# Altium PCB PCB1.PcbDoc (part 2 of 3)
Units mm, origin at the board's own origin, x right, y up, seen from the top; angles counter-clockwise.
Board outline 185.67 x 127.25 mm, 2 copper layers (Top Layer, Bottom Layer); 163 components, 132 nets, 740 pads, 201 vias.
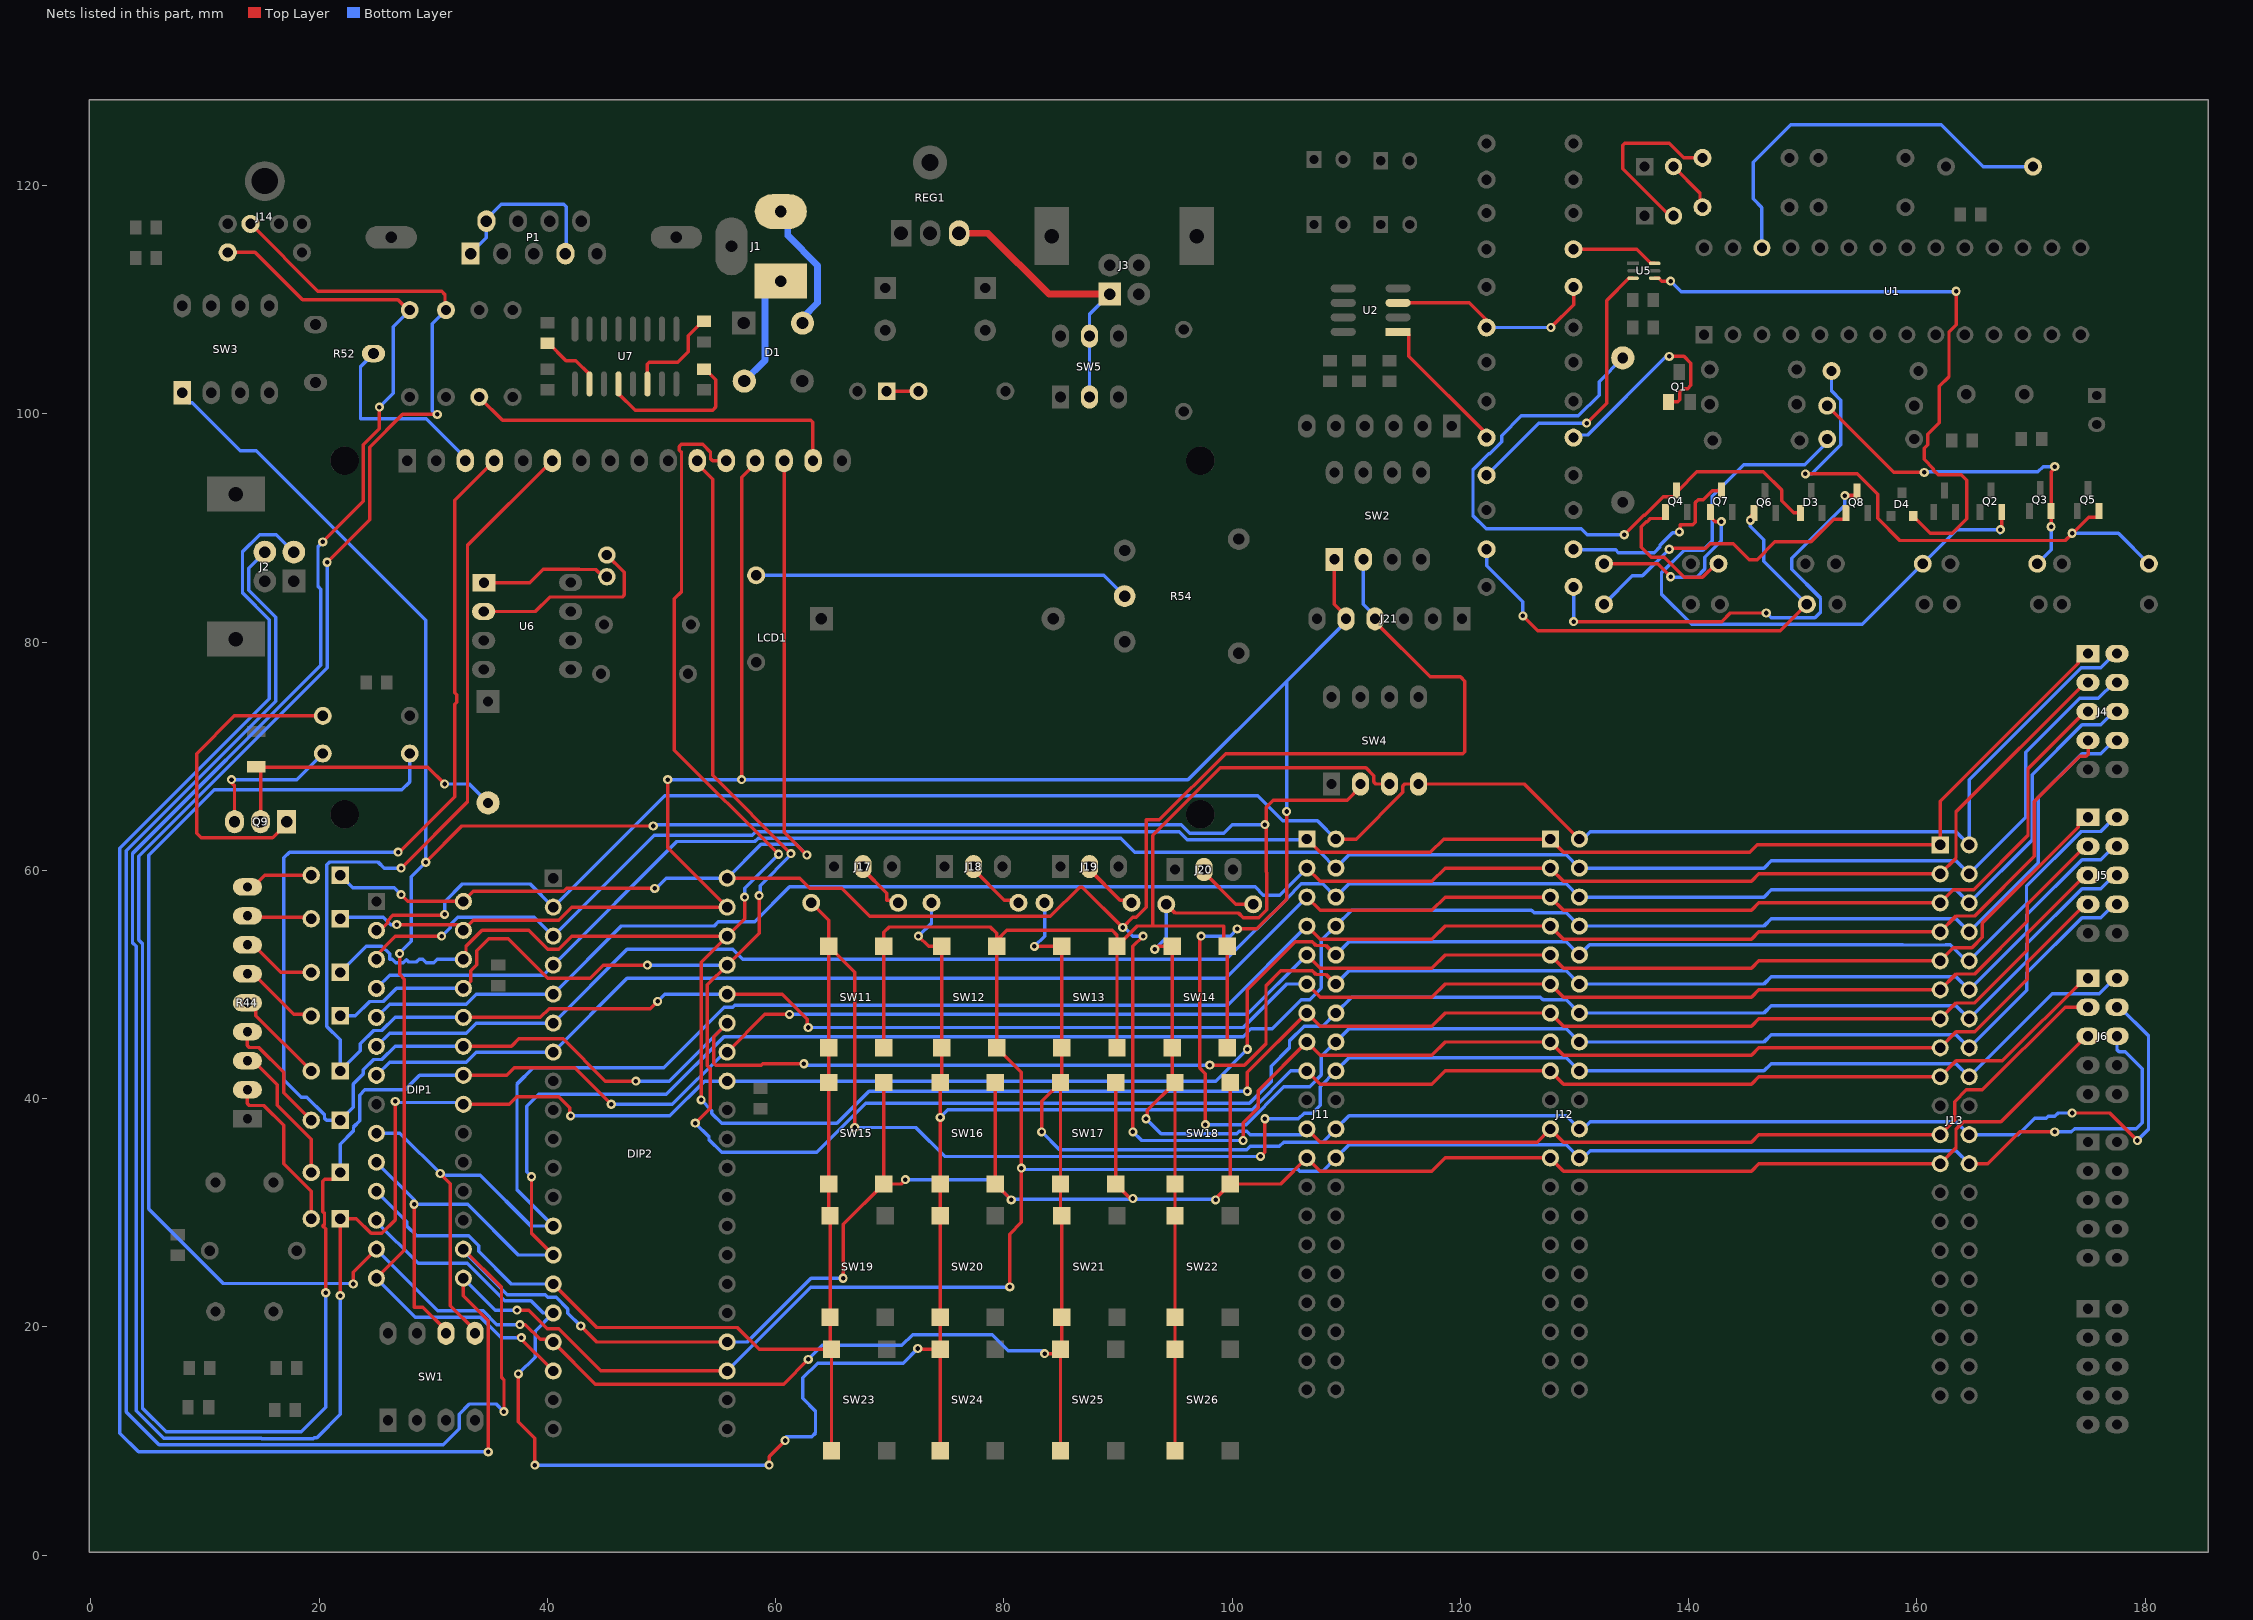
[diagram p2: the nets of this part, all layers, seen from the top]

## Via types
v1: diameter 0.8, hole 0.4, Top Layer to Bottom Layer, 201 vias

## Nets (pads, with @x,y where several pads share a name; then routed paths per layer and width w, separated by ;. In a path a pad name is that pad's centre, name@x,y a point inside that pad or via, vN(x,y) a via of type N, cw(c..) or ccw(c..) an arc to the next point about the centre after c; other vN are vias at no path point) (continued)
NetC30_2: C30.2 U7.4 | length 13.9
  Top Layer w0.3: U7.4@46.228,102.629 46.228,101.784 47.682,100.33 54.483,100.33 54.75,100.597 54.75,102.993 53.846,103.897 C30.2@53.721,103.897
NetC31_1: C31.1 U7.2 | length 5.6
  Top Layer w0.3: C31.1@40.005,106.172 40.13,106.172 41.634,104.668 42.494,104.668 43.688,103.474 U7.2@43.688,102.629
NetC32_2: C32.2 U7.6 | length 9.1
  Top Layer w0.3: U7.6@48.768,102.629 48.768,104.345 48.944,104.521 51.435,104.521 52.34,105.426 52.34,106.843 53.596,108.099 C32.2@53.721,108.099
NetD1_2: D1.2 J1.2 | length 11.7
  Bottom Layer w0.6: J1.2@60.452,117.729 61.064,117.117 61.064,115.614 63.673,113.005 63.673,109.735 62.357,108.419 D1.2@62.357,107.95
NetD1_3: D1.3 J1.1 | length 10.4
  Bottom Layer w0.6: D1.3@57.252,102.87 59.055,104.673 59.055,110.693 59.995,111.633 J1.1@60.452,111.633
NetD3_1: D3.1 L1.2 Q4.3 | length 56.2
  Top Layer w0.3: v1(134.366,89.408) 136.072,91.114 136.152,91.114 137.767,92.729 138.788,92.729 138.938,92.879 Q4.3@138.938,93.279 139.085,93.279 140.714,94.908 142.149,94.908 142.178,94.937 146.537,94.937 148.149,93.326 148.149,92.375 149.206,91.318 D3.1@149.799,91.318
  Bottom Layer w0.3: L1.2@134.239,104.902 132.161,102.824 132.161,101.647 130.336,99.822 125.349,99.822 123.612,98.085 123.612,97.543 122.569,96.5 122.501,96.5 121.11,95.108 121.11,91.074 122.267,89.916 130.611,89.916 131.119,89.408 v1(134.366,89.408)
NetD4_3: D4.2 U5.4 | length 56.6
  Top Layer w0.3: U5.4@137.033,111.887 137.391,111.887 137.645,111.633 v1(138.43,111.633) ; D4.2@159.69,91.059 159.69,91.008 161.163,89.535 163.11,89.535 164.38,90.805 164.38,94.186 163.909,94.657 161.883,94.657 161.459,95.081 161.459,95.202 160.655,96.006 160.655,96.994 160.957,97.297 160.957,98.198 161.971,99.212 161.971,102.42 162.825,103.274 162.825,107.18 163.449,107.804 v1(163.449,110.744)
  Bottom Layer w0.3: v1(138.43,111.633) 139.361,110.702 163.407,110.702 v1(163.449,110.744)
NetD6_2: D6.2 R44.2 | length 14.4
  Top Layer w0.3: R44.2@13.716,40.767 13.716,39.569 13.892,39.393 15.153,39.393 16.891,37.655 16.891,34.292 19.304,31.879 D6.2@19.304,29.464
NetD7_2: D7.2 R44.3 | length 12.4
  Top Layer w0.3: R44.3@13.716,43.307 14.224,43.307 16.334,41.197 16.334,39.421 19.304,36.451 D7.2@19.304,33.528
NetD8_2: D8.2 R44.4 | length 10.5
  Top Layer w0.3: R44.4@13.716,45.847 13.716,44.649 13.892,44.473 14.707,44.473 16.888,42.292 16.888,40.516 D8.2@19.304,38.1
NetD9_2: D9.2 R44.5 | length 8.4
  Top Layer w0.3: R44.5@13.716,48.387 13.893,48.387 14.458,47.822 14.458,47.264 D9.2@19.304,42.418
NetD10_2: D10.2 R44.6 | length 7.1
  Top Layer w0.3: R44.6@13.716,50.927 14.224,50.927 17.761,47.39 19.158,47.39 D10.2@19.304,47.244
NetD11_2: D11.2 R44.7 | length 6.6
  Top Layer w0.3: R44.7@13.716,53.467 14.224,53.467 16.637,51.054 D11.2@19.304,51.054
NetD12_2: D12.2 R44.8 | length 5.7
  Top Layer w0.3: R44.8@13.716,56.007 13.843,55.88 19.177,55.88 D12.2@19.304,55.753
NetD13_2: D13.2 R44.9 | length 6
  Top Layer w0.3: R44.9@13.716,58.547 14.224,58.547 15.24,59.563 D13.2@19.304,59.563
NetD14_1: D14.1 MG1.2 Q9.2 | length 26.5
  Top Layer w0.3: MG1.2@14.478,69.062 14.5,69.04 MG1.2@14.537,69.04 ; Q9.2@14.865,64.262 14.865,68.712 MG1.2@14.537,69.04 ; v1(30.988,67.564) 29.512,69.04 MG1.2@14.537,69.04
  Bottom Layer w0.3: v1(30.988,67.564) 33.147,67.564 D14.1@34.798,65.913
NetD15_1: D15.1 R1.1 | length 2.8
  Top Layer w0.3: D15.1@69.723,101.981 R1.1@72.517,101.981
NetD16_2: D16.2 R3.2 | length 15.8
  Top Layer w0.3: D16.2@138.684,117.348 138.367,117.348 134.239,121.476 134.239,123.522 134.415,123.698 138.301,123.698 139.571,122.428 R3.2@141.224,122.428
NetD17_2: D17.2 R2.2 | length 4.6
  Top Layer w0.3: D17.2@138.684,121.666 141.003,119.347 141.003,118.331 R2.2@141.224,118.11
NetJ3_1: J3.1 REG1.3 SW5.2 SW5.5 | length 25.2
  Top Layer w0.6: REG1.3@76.073,115.824 78.613,115.824 83.947,110.49 J3.1@89.281,110.49
  Bottom Layer w0.3: SW5.2@87.503,101.473 SW5.5@87.503,106.807 87.503,108.712 J3.1@89.281,110.49
NetJ17_2: J17.2 R55.1 | length 5.2
  Top Layer w0.3: J17.2@67.056,60.071 J17.2@67.056,60.325 ; J17.2@67.655,60.325 67.655,60.071 69.733,57.993 69.733,57.394 70.495,57.394 R55.1@70.739,57.15
NetJ18_2: J18.2 R56.1 | length 5.4
  Top Layer w0.3: J18.2@77.343,60.325 77.343,60.071 80.043,57.371 81.059,57.371 R56.1@81.28,57.15
NetJ19_2: J19.2 R57.1 | length 5.1
  Top Layer w0.3: J19.2@87.503,60.325 87.503,60.071 90.18,57.394 90.942,57.394 R57.1@91.186,57.15
NetJ20_2: J20.2 R58.1 | length 5.7
  Top Layer w0.3: J20.2@97.536,60.071 97.536,59.817 100.33,57.023 R58.1@101.854,57.023
NetLCD1_3: LCD1.3 R52.2 | length 17
  Bottom Layer w0.3: R52.2@24.765,105.283 23.622,104.14 23.622,99.568 29.388,99.568 32.805,96.151 LCD1.3@32.805,95.897
NetLCD1_15: LCD1.15 R18.2 | length 33.5
  Top Layer w0.3: R18.2@34.036,101.473 36.068,99.441 63.07,99.441 63.246,99.265 63.246,95.936 LCD1.15@63.285,95.897
NetP1_1: P1.1 P1.4 P1.6 | length 15.4
  Bottom Layer w0.3: P1.1@33.274,114.046 33.274,114.211 33.871,114.808 34.036,114.808 34.658,115.43 P1.6@34.658,116.891 34.658,117.056 35.966,118.364 41.433,118.364 41.656,118.141 41.656,114.122 P1.4@41.58,114.046
NetQ1_1: Q1.1 R31.2 | length 18.4
  Top Layer w0.3: Q1.1@138.242,101.056 139.062,101.056 139.238,101.232 139.238,101.923 139.521,102.206 139.925,102.206 140.208,102.489 140.208,104.423 139.602,105.029 v1(138.303,105.029)
  Bottom Layer w0.3: R31.2@129.921,97.917 130.148,98.144 131.158,98.144 138.043,105.029 v1(138.303,105.029)
NetQ2_2: Q2.2 R10.2 R11.1 | length 59.8
  Top Layer w0.3: v1(167.322,89.852) 167.447,89.977 Q2.2@167.447,91.379
  Bottom Layer w0.3: R10.2@152.146,97.79 152.146,97.515 150.177,95.546 144.822,95.546 142.067,92.791 142.067,88.86 141.266,88.059 139.627,88.059 137.626,86.058 137.626,84.209 140.268,81.567 155.227,81.567 R11.1@160.528,86.868 163.512,89.852 v1(167.322,89.852) 167.29,89.82 v1@167.29,89.532
NetQ3_2: Q3.2 R14.2 R15.1 | length 31.8
  Top Layer w0.3: R14.2@152.146,100.711 157.988,94.869 v1(160.655,94.869) ; v1@171.704,90.043 v1(171.765,90.104) Q3.2@171.765,91.506 171.765,94.922 172.085,95.242 v1(172.085,95.377)
  Bottom Layer w0.3: v1(160.655,94.869) 160.697,94.911 170.603,94.911 171.069,95.377 v1(172.085,95.377) ; R15.1@170.561,86.868 171.765,88.072 v1(171.765,90.104)
NetQ4_1: Q4.1 R21.2 | length 13.1
  Top Layer w0.3: Q4.1@137.988,91.379 137.988,90.979 137.838,90.829 136.65,90.829 136.381,90.56 136.302,90.56 135.848,90.107 135.848,88.313 136.739,87.422 137.87,87.422 139.616,85.676 141.224,85.676 142.416,86.868 R21.2@142.621,86.868
NetQ5_2: Q5.2 R19.2 R20.1 | length 49.5
  Top Layer w0.3: v1(150.241,94.742) 154.789,94.742 156.564,92.968 156.564,90.832 158.496,88.9 173.021,88.9 173.633,89.511 175.077,90.956 175.806,90.956 175.956,91.106 Q5.2@175.956,91.506
  Bottom Layer w0.3: v1(150.241,94.742) 150.783,94.742 153.337,97.297 153.337,101.204 152.527,102.015 R19.2@152.527,103.759 ; v1(173.609,89.535) 177.673,89.535 R20.1@180.34,86.868
NetQ6_1: Q6.1 R23.1 R25.2 | length 43.7
  Top Layer w0.3: v1(125.476,82.296) 126.788,80.984 148.04,80.984 R23.1@150.368,83.312 ; v1(145.415,90.678) 145.415,90.998 Q6.1@145.735,91.318
  Bottom Layer w0.3: R25.2@122.301,88.138 122.301,86.7 125.476,83.525 v1(125.476,82.296) ; v1(145.415,90.678) 145.415,90.164 146.6,88.979 146.6,87.08 R23.1@150.368,83.312
NetQ7_1: Q7.1 R27.1 | length 15.9
  Top Layer w0.3: R27.1@132.588,86.868 137.287,86.868 v1(138.43,85.725) ; Q7.1@141.925,91.379 141.925,90.979 142.353,90.551 v1(142.871,90.551)
  Bottom Layer w0.3: v1(138.43,85.725) 138.479,85.676 140.701,85.676 141.43,86.405 141.43,87.439 142.871,88.881 v1(142.871,90.551)
NetQ7_3: Q7.3 R25.1 | length 16.7
  Top Layer w0.3: v1(139.192,89.662) 139.288,89.758 139.288,90.266 139.297,90.275 140.355,90.275 140.592,90.512 140.592,92.233 140.842,92.483 141.291,92.483 142.087,93.279 Q7.3@142.875,93.279
  Bottom Layer w0.3: R25.1@129.921,88.138 129.967,88.092 133.606,88.092 133.856,87.842 136.985,87.842 137.499,88.356 137.499,88.471 138.594,89.566 139.096,89.566 v1(139.192,89.662)
NetQ8_1: Q8.1 R29.1 | length 25.9
  Top Layer w0.3: v1(138.303,88.138) 138.388,88.223 141.508,88.223 141.898,88.613 143.93,88.613 145.336,87.207 146.002,87.207 147.57,88.775 150.727,88.775 152.715,90.763 153.647,90.763 153.797,90.913 Q8.1@153.797,91.313
  Bottom Layer w0.3: R29.1@132.588,83.312 135.075,85.799 135.964,85.799 v1(138.303,88.138)
NetQ8_3: Q8.3 R28.1 | length 40
  Top Layer w0.3: v1(129.921,81.788) 142.909,81.788 143.671,82.55 v1(146.812,82.55)
  Top Layer w0.381: v1(153.695,92.837) 154.747,92.837 Q8.3@154.747,93.213
  Bottom Layer w0.3: v1(129.921,81.788) R28.1@129.921,84.836 ; v1(146.812,82.55) 147.241,82.121 151.082,82.121 151.559,82.598 151.559,83.865 149.05,86.375 149.05,87.361 153.675,91.987 153.675,92.817 v1(153.695,92.837)
NetQ9_1: Q9.1 R43.2 | length 28.1
  Top Layer w0.3: Q9.1@17.145,64.262 17.145,64.072 15.916,62.842 9.675,62.842 9.271,63.246 9.271,70.231 12.573,73.533 R43.2@20.32,73.533
NetQ9_3: Q9.3 R47.2 | length 12.7
  Top Layer w0.3: v1(12.319,67.945) 12.319,67.691 12.585,67.425 Q9.3@12.585,64.262
  Bottom Layer w0.3: v1(12.319,67.945) 18.034,67.945 R47.2@20.32,70.231
NetR5_1: R5.1 R6.2 U2.3 | length 18.7
  Top Layer w0.3: U2.3@114.541,109.728 120.777,109.728 122.301,108.204 R6.2@122.301,107.95 ; v1(127.939,107.569) 129.921,109.551 R5.1@129.921,111.125
  Bottom Layer w0.3: R6.2@122.301,107.569 v1(127.939,107.569)
NetR13_1: R13.1 U5.6 | length 7.6
  Top Layer w0.3: R13.1@129.921,114.427 135.445,114.427 136.685,113.187 U5.6@137.033,113.187
NetR30_2: R30.2 U5.3 | length 25.3
  Top Layer w0.3: v1(131.064,99.187) 132.819,100.942 132.819,109.931 134.775,111.887 U5.3@135.133,111.887
  Bottom Layer w0.3: R30.2@122.301,94.615 126.873,99.187 v1(131.064,99.187)
NetR31_1: R31.1 U2.1 | length 12.9
  Top Layer w0.3: U2.1@114.541,107.188 115.291,107.188 115.491,106.988 115.491,105.044 122.301,98.234 R31.1@122.301,97.917
NetR53_2: R53.2 R54.2 | length 33
  Bottom Layer w0.3: R53.2@58.293,85.852 88.76,85.852 R54.2@90.585,84.027
NetU6_1: U6.1 Y3.2 | length 11.5
  Top Layer w0.3: U6.1@34.442,85.192 38.445,85.192 39.637,86.383 42.774,86.383 42.797,86.36 44.246,86.36 44.881,85.725 Y3.2@45.212,85.725
NetU6_2: U6.2 Y3.1 | length 17.1
  Top Layer w0.3: U6.2@34.417,82.677 38.954,82.677 40.224,83.947 46.56,83.947 46.736,84.123 46.736,86.106 Y3.1@45.212,87.63
PS2_CLK: D6.1 DIP1.21 DIP2.33 J5.2 J11.10 J12.10 J13.10 J14.5 R40.1 | length 348.2
  Top Layer w0.3: J14.5@11.99,114.146 14.378,114.146 18.542,109.982 26.907,109.982 27.796,109.093 R40.1@27.94,109.093 ; v1(20.32,88.773) 23.879,92.332 23.879,97.306 25.273,98.7 v1(25.273,100.584) ; v1(21.844,22.733) D6.1@21.844,29.464 23.26,29.464 24.541,28.183 25.497,28.183 26.67,29.356 v1(26.67,39.751) ; DIP1.21@32.639,39.497 36.654,39.497 37.3,40.143 40.991,40.143 41.941,39.193 41.941,38.577 v1(42.037,38.481) ; v1(101.346,44.323) 101.346,49.53 105.548,53.732 107.031,53.732 107.353,53.41 108.228,53.41 109.06,52.578 J11.10@109.093,52.578
  Bottom Layer w0.3: v1(20.32,88.773) 19.897,88.35 19.897,84.874 20.147,84.624 20.147,77.975 3.645,61.473 3.645,53.665 3.969,53.34 3.969,12.646 6.375,10.241 14.951,10.241 14.986,10.206 19.477,10.206 19.558,10.287 19.812,10.287 21.844,12.319 v1(21.844,22.733) ; v1(25.273,100.584) 26.485,101.796 26.485,107.638 R40.1@27.94,109.093 ; v1(26.67,39.751) 26.766,39.655 32.481,39.655 DIP1.21@32.639,39.497 ; v1(42.037,38.481) 50.722,38.481 53.77,41.529 DIP2.33@55.753,41.529 98.552,41.529 v1(101.346,44.323) ; J11.10@109.093,52.578 110.247,53.732 129.275,53.732 J12.10@130.429,52.578 131.318,53.467 158.791,53.467 158.802,53.456 162.53,53.456 162.541,53.467 162.941,53.467 164.338,52.07 J13.10@164.592,52.07 169.61,57.088 169.61,58.61 174.399,63.399 176.111,63.399 177.355,64.643 J5.2@177.546,64.643
PS2_DATA: D7.1 DIP1.22 DIP2.34 J5.1 J11.9 J12.9 J13.9 J14.1 R41.1 | length 345.1
  Top Layer w0.3: J14.1@13.99,116.646 19.892,110.744 30.734,110.744 31.026,110.452 31.026,109.182 R41.1@31.115,109.093 ; v1@20.331,23.125 20.468,22.987 v1(20.574,22.987) 20.574,28.577 20.32,28.831 20.47,28.981 20.47,29.947 20.32,30.097 20.32,32.74 20.496,32.916 21.232,32.916 D7.1@21.844,33.528 ; v1(20.701,86.995) 24.433,90.727 24.433,97.077 27.305,99.949 v1(30.353,99.949) ; DIP1.22@32.639,42.037 36.449,42.037 37.095,42.683 42.407,42.683 v1(45.593,39.497) ; DIP2.34@55.753,44.069 59.055,47.371 v1(61.214,47.371) ; J11.9@106.553,52.578 107.707,51.424 117.513,51.424 118.667,52.578 J12.9@127.889,52.578 129.043,51.424 145.516,51.424 146.162,52.07 J13.9@162.052,52.07 163.206,53.224 164.838,53.224 165.746,54.132 165.746,55.383 174.14,63.777 174.14,64.031 174.752,64.643 J5.1@175.006,64.643
  Bottom Layer w0.3: v1(20.574,22.987) 20.574,12.954 18.415,10.795 6.604,10.795 4.523,12.876 4.523,53.569 4.199,53.894 4.199,61.243 20.701,77.745 v1(20.701,86.995) ; D7.1@21.844,33.528 21.844,36.005 23.01,37.171 23.01,37.509 23.541,38.04 23.541,40.305 24.003,40.767 27.524,40.767 28.794,42.037 DIP1.22@32.639,42.037 ; v1(30.353,99.949) 30.226,99.949 29.924,100.251 29.924,107.902 R41.1@31.115,109.093 ; v1(45.593,39.497) 50.955,39.497 55.527,44.069 DIP2.34@55.753,44.069 ; v1(61.214,47.371) 101.346,47.371 J11.9@106.553,52.578
PUSH_BUTTON: R32.1 U1.26 | length 35.2
  Bottom Layer w0.3: U1.26@146.431,114.554 146.431,118.079 145.666,118.844 145.666,122.044 148.971,125.349 162.134,125.349 165.817,121.666 R32.1@170.18,121.666
RA0: DIP1.2 DIP2.2 J4.2 J11.2 J12.2 J13.2 SW4.4 | length 176.8
  Top Layer w0.3: DIP1.2@25.019,54.737 25.334,54.737 25.993,55.396 25.993,55.578 26.464,56.049 v1@30.988,56.049 ; J11.2@109.093,62.738 110.869,62.738 114.958,66.827 114.958,67.388 115.134,67.564 SW4.4@116.332,67.564 125.603,67.564 J12.2@130.429,62.738
  Bottom Layer w0.3: v1(30.988,56.134) 30.988,57.258 32.531,58.801 38.481,58.801 DIP2.2@40.513,56.769 50.295,66.551 102.238,66.551 104.442,64.347 107.484,64.347 J11.2@109.093,62.738 ; J12.2@130.429,62.738 130.754,62.738 131.4,63.384 163.438,63.384 J13.2@164.592,62.23 164.592,67.943 174.399,77.75 176.111,77.75 177.355,78.994 J4.2@177.546,78.994
RA1: DIP1.3 DIP2.3 J4.1 J11.1 J12.1 J13.1 | length 167.7
  Top Layer w0.3: DIP1.3@25.019,52.197 25.019,52.522 25.693,53.196 25.693,53.268 26.654,54.229 v1(30.734,54.229) ; J11.1@106.553,62.738 107.707,61.584 117.375,61.584 118.529,62.738 J12.1@127.889,62.738 129.043,61.584 145.378,61.584 146.024,62.23 J13.1@162.052,62.23 162.052,66.04 174.14,78.128 174.14,78.382 174.752,78.994 J4.1@175.006,78.994
  Bottom Layer w0.3: v1(30.734,54.229) 31.485,54.98 31.485,55.215 32.161,55.891 38.851,55.891 DIP2.3@40.513,54.229 49.361,63.077 57.954,63.077 58.257,63.38 95.38,63.38 96.071,62.689 101.009,62.689 101.016,62.696 106.511,62.696 J11.1@106.553,62.738
RA2: DIP1.4 DIP2.4 J4.4 J11.4 J12.4 J13.4 | length 171.1
  Bottom Layer w0.3: DIP1.4@25.019,49.657 26.173,50.811 39.635,50.811 DIP2.4@40.513,51.689 51.347,62.523 58.184,62.523 58.487,62.826 90.228,62.826 91.47,61.584 107.707,61.584 J11.4@109.093,60.198 110.247,61.352 129.275,61.352 J12.4@130.429,60.198 146.61,60.198 147.256,60.844 163.438,60.844 J13.4@164.592,59.69 169.545,64.643 169.545,70.356 174.269,75.08 175.918,75.08 177.292,76.454 J4.4@177.546,76.454
RA3: DIP1.5 DIP2.5 J4.3 J11.3 J12.3 J13.3 | length 167
  Top Layer w0.3: J11.3@106.553,60.198 107.707,59.044 117.513,59.044 118.667,60.198 J12.3@127.889,60.198 129.043,59.044 145.516,59.044 146.162,59.69 J13.3@162.052,59.69 163.438,61.076 163.438,65.14 174.752,76.454 J4.3@175.006,76.454
  Bottom Layer w0.3: DIP1.5@25.019,47.117 26.173,48.271 32.885,48.271 33.763,49.149 DIP2.5@40.513,49.149 46.482,55.118 54.61,55.118 54.991,55.499 58.166,55.499 61.214,58.547 102.015,58.547 102.74,57.822 104.177,57.822 J11.3@106.553,60.198
RA4: DIP1.6 DIP2.6 J4.6 J11.6 J12.6 J13.6 | length 171.6
  Bottom Layer w0.3: DIP1.6@25.019,44.577 26.173,45.731 32.885,45.731 33.763,46.609 DIP2.6@40.513,46.609 46.979,53.075 56.231,53.075 57.109,52.197 99.496,52.197 104.731,57.432 104.731,57.468 106.075,58.812 107.939,58.812 J11.6@109.093,57.658 110.247,58.812 129.275,58.812 J12.6@130.429,57.658 146.61,57.658 147.256,58.304 163.438,58.304 J13.6@164.592,57.15 170.099,62.657 170.099,68.37 174.477,72.748 176.126,72.748 177.292,73.914 J4.6@177.546,73.914
RA5: DIP1.7 DIP2.7 J4.5 J11.5 J12.5 J13.5 | length 168.5
  Top Layer w0.3: J11.5@106.553,57.658 107.707,56.504 117.513,56.504 118.667,57.658 J12.5@127.889,57.658 129.043,56.504 145.516,56.504 146.162,57.15 J13.5@162.052,57.15 163.206,58.304 164.973,58.304 169.745,63.076 169.745,68.907 174.752,73.914 J4.5@175.006,73.914
  Bottom Layer w0.3: DIP1.7@25.019,42.037 26.173,43.191 32.885,43.191 33.763,44.069 DIP2.7@40.513,44.069 46.979,50.535 56.334,50.535 56.345,50.546 99.441,50.546 J11.5@106.553,57.658
RA6: DIP1.10 DIP2.14 J4.8 J11.8 J12.8 J13.8 SW1.6 | length 207
  Top Layer w0.3: v1(28.321,30.734) 28.321,21.717 29.083,21.717 31.115,19.685 SW1.6@31.115,19.431 SW1.6@30.607,19.431 ; v1(38.608,33.147) 38.608,28.194 DIP2.14@40.513,26.289
  Bottom Layer w0.3: DIP1.10@25.019,34.417 28.321,31.115 v1(28.321,30.734) 28.332,30.723 33.01,30.723 37.444,26.289 DIP2.14@40.513,26.289 ; v1(38.608,33.147) 38.185,33.57 38.185,39.322 39.238,40.375 50.427,40.375 55.476,45.424 100.966,45.424 101.654,46.112 103.535,46.112 106.075,48.652 106.799,48.652 107.831,49.684 107.831,53.856 J11.8@109.093,55.118 110.49,56.515 126.238,56.515 126.481,56.272 129.275,56.272 J12.8@130.429,55.118 146.61,55.118 147.256,55.764 163.438,55.764 J13.8@164.592,54.61 170.653,60.671 170.653,66.384 174.477,70.208 176.126,70.208 177.292,71.374 J4.8@177.546,71.374
RA7: DIP1.9 DIP2.13 J4.7 J11.7 J12.7 J13.7 SW1.5 | length 203.4
  Top Layer w0.3: v1(30.607,33.431) 30.607,33.401 31.485,32.523 31.485,21.855 33.655,19.685 SW1.5@33.655,19.431 ; J11.7@106.553,55.118 107.707,53.964 117.513,53.964 118.667,55.118 J12.7@127.889,55.118 129.043,53.964 145.516,53.964 146.162,54.61 J13.7@162.052,54.61 163.438,55.996 165.07,55.996 170.299,61.225 170.299,66.03 174.269,70 174.83,70 175.006,70.176 J4.7@175.006,71.374
  Bottom Layer w0.3: DIP1.9@25.019,36.957 27.081,36.957 30.775,33.263 34.133,33.263 38.567,28.829 DIP2.13@40.513,28.829 37.338,32.004 37.338,41.275 38.746,42.683 50.195,42.683 55.507,47.995 56.231,47.995 56.411,48.175 99.61,48.175 J11.7@106.553,55.118
RB2: D8.1 DIP1.23 DIP2.35 J5.4 J11.12 J12.12 J13.12 LCD1.4 | length 258.4
  Top Layer w0.3: v1(26.924,61.595) 27.027,61.595 31.877,66.445 31.877,74.555 32.046,74.724 32.046,75.39 31.877,75.559 31.877,92.429 LCD1.4@35.345,95.897 ; DIP1.23@32.639,44.577 36.854,44.577 37.5,45.223 41.391,45.223 45.085,41.529 v1(47.752,41.529) ; DIP2.35@55.753,46.609 54.575,45.431 54.575,43.091 54.751,42.915 58.743,42.915 58.881,43.053 v1(62.484,43.053) ; v1(98.044,42.926) 101.086,42.926 102.973,44.813 102.973,49.887 104.278,51.192 107.031,51.192 107.353,50.87 108.228,50.87 109.06,50.038 J11.12@109.093,50.038
  Bottom Layer w0.3: v1(26.924,61.595) 17.399,61.595 16.888,61.084 16.888,41.659 18.415,40.132 18.921,40.132 20.47,38.583 20.47,38.276 20.646,38.1 D8.1@21.844,38.1 22.987,39.243 22.987,41.275 23.865,42.153 23.865,42.515 24.773,43.423 25.497,43.423 26.651,44.577 DIP1.23@32.639,44.577 ; v1@47.498,41.529 v1(47.752,41.529) 50.673,41.529 DIP2.35@55.753,46.609 ; v1@62.357,43.18 v1(62.484,43.053) 62.611,42.926 v1(98.044,42.926) ; J11.12@109.093,50.038 110.247,51.192 129.275,51.192 J12.12@130.429,50.038 146.61,50.038 147.256,50.684 163.438,50.684 J13.12@164.592,49.53 169.649,54.587 169.649,56.109 174.477,60.937 176.126,60.937 177.292,62.103 J5.4@177.546,62.103
RB3: D9.1 DIP1.24 DIP2.36 J5.3 J11.11 J12.11 J13.11 LCD1.6 | length 233.8
  Top Layer w0.3: v1(27.178,60.198) 32.997,66.017 32.997,88.469 LCD1.6@40.425,95.897 ; DIP1.24@32.639,47.117 39.389,47.117 40.154,47.882 49.025,47.882 v1(49.657,48.514) ; DIP2.36@55.753,49.149 60.573,49.149 62.769,46.953 62.769,46.324 v1(62.865,46.228) ; J11.11@106.553,50.038 107.707,48.884 117.513,48.884 118.667,50.038 J12.11@127.889,50.038 129.043,48.884 145.516,48.884 146.162,49.53 J13.11@162.052,49.53 163.438,50.916 165.07,50.916 169.678,55.524 169.678,57.029 174.752,62.103 J5.3@175.006,62.103
  Bottom Layer w0.3: v1(27.178,60.198) 25.686,60.198 25.155,60.729 20.915,60.729 20.678,60.492 20.678,46.315 21.844,45.149 D9.1@21.844,42.418 23.614,44.188 23.614,44.805 24.773,45.963 25.497,45.963 26.651,47.117 DIP1.24@32.639,47.117 ; v1(49.657,48.514) 50.292,49.149 DIP2.36@55.753,49.149 ; v1(62.865,46.228) 100.986,46.228 104.796,50.038 J11.11@106.553,50.038
RB4: D10.1 DIP1.25 DIP2.37 J5.6 J11.14 J12.14 J13.14 LCD1.11 | length 245
  Top Layer w0.3: DIP1.25@32.639,49.657 33.274,50.292 33.274,51.2 33.793,51.719 33.793,52.964 34.846,54.017 36.553,54.017 40.035,50.535 43.757,50.535 44.911,51.689 v1(48.768,51.689) ; v1(52.959,37.846) 54.271,39.158 54.271,42.611 54.021,42.861 54.021,49.957 DIP2.37@55.753,51.689 58.547,54.483 v1(58.547,57.785) ; LCD1.11@53.125,95.897 53.125,95.643 54.483,94.285 54.483,68.326 v1(61.341,61.468)
  Bottom Layer w0.3: D10.1@21.844,47.244 23.172,47.244 24.431,48.503 25.622,48.503 26.776,49.657 DIP1.25@32.639,49.657 ; v1(48.768,51.689) DIP2.37@55.753,51.689 ; v1(52.959,37.846) 54.165,36.64 54.165,36.405 55.275,35.295 63.622,35.295 67.912,39.585 101.524,39.585 103.418,41.478 103.418,42.839 105.029,44.45 105.029,45.066 106.307,46.344 107.939,46.344 J11.14@109.093,47.498 110.49,48.895 127,48.895 127.243,48.652 129.275,48.652 J12.14@130.429,47.498 146.61,47.498 147.256,48.144 163.438,48.144 J13.14@164.592,46.99 169.649,52.047 169.649,53.569 174.477,58.397 176.126,58.397 177.292,59.563 J5.6@177.546,59.563 ; v1(58.547,57.785) 58.643,57.881 58.643,58.649 61.341,61.347 v1(61.341,61.468)
RB5: D11.1 DIP1.26 DIP2.38 J5.5 J11.13 J12.13 J13.13 LCD1.12 | length 243.6
  Top Layer w0.3: DIP1.26@32.639,52.197 32.869,52.427 32.869,53.335 34.271,54.737 38.373,54.737 40.035,53.075 40.991,53.075 42.145,54.229 DIP2.38@55.753,54.229 ; v1(53.467,39.878) 53.467,51.943 DIP2.38@55.753,54.229 ; LCD1.12@55.665,95.897 54.467,95.897 54.291,96.073 54.291,96.634 53.608,97.317 51.738,97.317 51.562,97.141 51.562,96.823 51.751,96.634 51.751,84.412 51.133,83.793 51.133,70.533 v1(60.261,61.404) ; v1(57.277,57.658) 57.277,55.753 DIP2.38@55.753,54.229 ; v1(101.346,40.64) 101.346,42.291 J11.13@106.553,47.498 107.707,46.344 117.513,46.344 118.667,47.498 J12.13@127.889,47.498 129.043,46.344 145.516,46.344 146.162,46.99 J13.13@162.052,46.99 163.438,48.376 165.07,48.376 169.678,52.984 169.678,54.489 174.752,59.563 J5.5@175.006,59.563
  Bottom Layer w0.3: D11.1@21.844,51.054 24.141,53.351 25.497,53.351 26.173,52.675 26.173,52.197 26.422,52.197 26.718,51.901 27.384,51.901 27.654,52.171 27.861,51.964 28.527,51.964 28.76,52.197 29.089,52.197 29.385,51.901 30.051,51.901 30.347,52.197 DIP1.26@32.639,52.197 ; v1(53.467,39.878) 54.419,38.926 54.419,38.691 55.275,37.835 65.378,37.835 68.183,40.64 v1(101.346,40.64) ; v1(57.277,57.658) 57.277,58.42 v1(60.261,61.404)
RB6: D12.1 DIP1.27 DIP2.39 J5.8 J11.16 J12.16 J13.16 J21.5 LCD1.13 SW2.1 | length 284.4
  Top Layer w0.3: v1(26.797,55.245) 32.131,55.245 DIP1.27@32.639,54.737 33.517,55.615 40.991,55.615 42.145,56.769 DIP2.39@55.753,56.769 50.546,61.976 v1(50.546,67.945) ; v1(57.023,67.945) 57.023,94.461 58.205,95.643 LCD1.13@58.205,95.897 ; v1@97.155,54.229 97.155,42.678 97.663,42.17 v1(97.663,37.719) ; v1(100.457,54.864) 102.163,54.864 104.775,57.476 v1(104.775,65.151) ; SW2.1@108.966,87.249 108.966,83.312 109.982,82.296 J21.5@109.982,82.042
  Bottom Layer w0.3: D12.1@21.844,55.753 21.982,55.891 25.622,55.891 26.268,55.245 v1(26.797,55.245) ; v1(50.546,67.945) v1(57.023,67.945) 96.139,67.945 104.775,76.581 ; v1(97.282,54.229) 99.822,54.229 v1(100.457,54.864) ; v1(97.663,37.719) 101.225,37.719 104.538,41.032 106.799,41.032 107.831,42.064 107.831,43.696 J11.16@109.093,44.958 110.247,46.112 129.275,46.112 J12.16@130.429,44.958 146.61,44.958 147.256,45.604 163.438,45.604 J13.16@164.592,44.45 169.649,49.507 169.649,51.029 174.477,55.857 176.126,55.857 177.292,57.023 J5.8@177.546,57.023 ; v1(104.775,65.151) 104.775,76.581 ; J21.5@109.982,82.042 109.982,81.788 104.775,76.581
RB7: D13.1 DIP1.28 DIP2.40 J5.7 J11.15 J12.15 J13.15 J21.4 LCD1.14 SW2.2 | length 297.9
  Top Layer w0.3: v1(27.179,57.867) 27.769,57.277 DIP1.28@32.639,57.277 33.517,58.155 41.43,58.155 41.695,58.42 v1(49.403,58.42) ; DIP2.40@55.753,59.309 62.103,59.309 62.992,58.42 65.786,58.42 68.247,55.959 84.059,55.959 86.634,58.533 86.882,58.533 v1(90.424,54.991) 91.305,55.872 91.592,55.872 92.489,56.768 92.489,64.422 93.627,64.422 99.436,70.231 120.22,70.231 120.396,70.407 120.396,76.581 120.015,76.962 117.348,76.962 112.522,81.788 J21.4@112.522,82.042 ; LCD1.14@60.745,95.897 60.745,63.334 v1(62.738,61.341) ; v1(91.313,37.084) 91.313,53.34 v1(92.202,54.229) ; v1(100.965,36.322) 100.965,37.874 102.277,39.186 102.277,40.682 J11.15@106.553,44.958 107.707,43.804 117.513,43.804 118.667,44.958 J12.15@127.889,44.958 129.043,43.804 145.516,43.804 146.162,44.45 J13.15@162.052,44.45 163.438,45.836 165.07,45.836 169.678,50.444 169.678,51.949 174.752,57.023 J5.7@175.006,57.023
  Bottom Layer w0.3: D13.1@21.844,59.563 22.95,58.457 26.567,58.457 27.157,57.867 v1(27.179,57.867) ; v1@49.276,58.166 50.419,59.309 DIP2.40@55.753,59.309 58.716,62.272 61.807,62.272 v1(62.738,61.341) ; v1@90.678,54.864 91.313,54.229 v1(92.202,54.229) ; v1(91.313,37.084) 92.075,36.322 v1(100.965,36.322) ; SW2.2@111.506,87.249 111.506,83.312 112.522,82.296 J21.4@112.522,82.042
RC0: DIP1.11 DIP2.15 J6.2 J11.18 J12.18 J13.18 R55.2 SW11.1 SW11.4 SW15.1 SW15.4 SW19.1 SW19.4 SW23.1 SW23.4 | length 234.4
  Top Layer w0.3: DIP2.15@40.513,23.749 44.323,19.939 56.642,19.939 58.547,18.034 SW23.1@64.897,18.034 ; R55.2@63.119,57.15 64.643,55.626 SW11.1@64.643,53.34 ; SW23.4@64.897,9.144 SW23.1@64.897,18.034 ; v1(66.929,37.465) 66.929,51.054 SW11.1@64.643,53.34 ; v1(102.489,34.925) 102.87,35.306 v1(102.87,38.227) ; SW11.1@64.643,53.34 SW11.4@64.643,44.45 SW15.1@64.643,41.402 SW15.4@64.643,32.512 64.643,29.845 SW19.1@64.77,29.718 SW19.4@64.77,20.828 64.77,18.161 SW23.1@64.897,18.034
  Bottom Layer w0.3: DIP1.11@25.019,31.877 27.686,29.21 27.686,28.829 28.551,27.964 33.104,27.964 33.969,27.1 33.969,26.61 36.83,23.749 DIP2.15@40.513,23.749 ; v1(66.929,37.465) 72.263,37.465 74.803,34.925 v1(102.489,34.925) ; v1(102.87,38.227) 105.81,38.227 106.307,38.724 107.031,38.724 107.707,39.4 107.707,41.032 J11.18@109.093,42.418 110.247,43.572 129.275,43.572 J12.18@130.429,42.418 146.61,42.418 147.256,43.064 163.438,43.064 J13.18@164.592,41.91 171.854,49.172 175.981,49.172 177.355,50.546 J6.2@177.546,50.546
RC1: DIP1.12 DIP2.16 J6.1 J11.17 J12.17 J13.17 R56.2 SW12.1 SW12.4 SW16.1 SW16.4 SW20.1 SW20.4 SW24.1 SW24.4 | length 236.5
  Top Layer w0.3: v1(37.465,15.875) 37.465,11.682 38.911,10.236 v1(38.911,7.874) ; v1(59.436,7.874) 59.436,8.636 v1(60.833,10.033) ; v1@72.39,18.161 v1(72.453,18.098) 72.517,18.034 SW24.1@74.422,18.034 ; v1(72.517,54.229) 73.406,53.34 SW12.1@74.549,53.34 SW12.4@74.549,44.45 74.549,41.529 SW16.1@74.422,41.402 v1(74.422,38.354) SW16.4@74.422,32.512 SW20.1@74.422,29.718 SW20.4@74.422,20.828 SW24.1@74.422,18.034 ; R56.2@73.533,57.023 R56.2@73.66,57.15 ; SW24.4@74.422,9.144 SW24.1@74.422,18.034 ; J11.17@106.553,42.418 107.707,41.264 117.513,41.264 118.667,42.418 J12.17@127.889,42.418 129.043,41.264 145.516,41.264 146.162,41.91 J13.17@162.052,41.91 163.438,43.296 167.502,43.296 174.752,50.546 J6.1@175.006,50.546
  Bottom Layer w0.3: DIP1.12@25.019,29.337 25.019,29.21 28.672,25.557 32.971,25.557 36.261,22.267 38.566,22.267 39.624,21.209 DIP2.16@40.513,21.209 38.922,19.618 38.922,17.332 v1(37.465,15.875) ; v1(38.911,7.874) v1(59.436,7.874) ; v1@60.833,10.287 60.914,10.368 63.173,10.368 63.497,10.693 63.497,12.61 62.383,13.724 62.383,15.526 63.678,16.821 71.177,16.821 v1(72.453,18.098) ; v1(72.517,54.229) 73.66,55.372 R56.2@73.66,57.15 ; v1(74.422,38.354) 75.099,39.031 101.753,39.031 105.14,42.418 J11.17@106.553,42.418
RC2: DIP1.13 DIP2.17 J6.4 J11.22 J12.22 J13.22 R47.1 R57.2 SW13.1 SW13.4 SW17.1 SW17.4 SW21.1 SW21.4 SW25.1 SW25.4 | length 321.5
  Top Layer w0.3: v1(22.987,23.749) 22.987,24.765 DIP1.13@25.019,26.797 ; v1(37.592,20.193) 38.064,20.193 39.359,18.899 40.283,18.899 DIP2.17@40.513,18.669 44.207,14.975 60.695,14.975 v1(62.865,17.145) ; v1(82.677,53.34) SW13.1@85.09,53.34 SW13.4@85.09,44.45 85.09,41.529 SW17.1@84.963,41.402 ; v1(83.312,37.084) 83.312,39.751 SW17.1@84.963,41.402 ; v1(83.566,17.653) 84.582,17.653 SW25.1@84.963,18.034 ; SW25.4@84.963,9.144 SW25.1@84.963,18.034 ; v1(173.609,38.735) 176.911,38.735 v1(179.324,36.322) ; SW25.1@84.963,18.034 85.09,18.161 SW21.4@85.09,20.828 SW21.1@85.09,29.718 84.963,29.845 SW17.4@84.963,32.512 SW17.1@84.963,41.402
  Bottom Layer w0.3: v1(22.987,23.749) 22.945,23.791 11.608,23.791 5.077,30.322 5.077,61.338 10.795,67.056 27.256,67.056 27.94,67.74 R47.1@27.94,70.231 ; DIP1.13@25.019,26.797 30.411,21.405 34.367,21.405 35.579,20.193 v1(37.592,20.193) ; v1(62.865,17.145) 64.089,18.369 71.068,18.369 72.003,19.304 78.994,19.304 80.391,17.907 83.312,17.907 v1(83.566,17.653) ; v1(82.677,53.34) 83.566,54.229 R57.2@83.566,57.15 ; v1(83.312,37.084) 84.878,35.518 101.298,35.518 101.594,35.814 104.14,35.814 104.51,36.184 107.939,36.184 J11.22@109.093,37.338 110.247,38.492 129.275,38.492 J12.22@130.429,37.338 130.754,37.338 131.4,37.984 163.438,37.984 J13.22@164.592,36.83 168.889,36.83 170.321,38.262 171.342,38.262 171.522,38.442 172.089,38.442 172.382,38.735 v1(173.609,38.735) ; J6.4@177.292,48.006 J6.4@177.546,48.006 177.8,48.006 180.305,45.501 180.305,37.303 v1(179.324,36.322)
RC3: DIP1.14 DIP2.18 J6.3 J11.21 J12.21 J13.21 R58.2 SW3.1 SW4.2 SW14.1 SW14.4 SW18.1 SW18.4 SW22.1 SW22.4 SW26.1 SW26.4 | length 357.4
  Top Layer w0.3: DIP1.14@25.019,24.257 27.474,26.712 27.474,50.461 27.051,50.884 v1(27.051,52.705) ; v1(29.337,60.706) 32.512,63.881 v1(49.276,63.881) ; v1@37.465,19.177 DIP2.18@40.513,16.129 ; v1(92.456,38.227) 92.552,38.323 92.552,38.958 SW18.1@94.996,41.402 ; v1(93.218,53.086) 93.472,53.34 SW14.1@94.742,53.34 SW14.4@94.742,44.45 94.742,41.656 SW18.1@94.996,41.402 ; R58.2@94.234,57.023 94.996,56.261 100.559,56.261 100.988,55.832 102.347,55.832 103.045,56.53 103.045,59.802 102.997,59.851 102.997,65.532 103.609,66.144 110.086,66.144 111.252,67.31 SW4.2@111.252,67.564 ; SW26.4@94.996,9.144 SW26.1@94.996,18.034 SW22.4@94.996,20.828 SW22.1@94.996,29.718 SW18.4@94.996,32.512 SW18.1@94.996,41.402 ; J11.21@106.553,37.338 107.707,36.184 126.735,36.184 J12.21@127.889,37.338 129.043,36.184 145.516,36.184 146.162,36.83 J13.21@162.052,36.83 163.314,38.092 163.314,39.724 164.346,40.756 165.745,40.756 172.995,48.006 J6.3@175.006,48.006
  Bottom Layer w0.3: SW3.1@8.001,101.854 8.001,101.6 8.613,100.988 8.867,100.988 13.081,96.774 14.478,96.774 29.337,81.915 v1(29.337,60.706) 28.067,59.436 28.067,53.779 27.051,52.763 v1(27.051,52.705) ; DIP1.14@25.019,24.257 28.425,20.851 34.138,20.851 35.939,19.05 v1(37.719,19.05) ; v1(49.276,63.881) 49.403,64.008 95.535,64.008 96.3,63.243 99.255,63.243 100.02,64.008 v1(102.87,64.008) ; v1(92.456,38.227) 93.768,36.915 100.421,36.915 100.632,37.126 101.298,37.126 101.594,36.83 106.045,36.83 J11.21@106.553,37.338 ; v1(93.218,53.086) 94.234,54.102 R58.2@94.234,57.023
RC4: DIP1.15 DIP2.23 J2.2 J6.6 J11.24 J12.24 J13.24 SW4.3 SW11.2 SW11.3 SW12.2 SW12.3 SW13.2 SW13.3 SW14.2 SW14.3 | length 430.6
  Top Layer w0.3: DIP1.15@32.639,24.257 32.639,22.709 34.821,20.527 v1(34.821,9.04) v1@34.798,9.017 ; v1(37.338,21.463) 38.354,21.463 39.994,19.823 40.991,19.823 44.685,16.129 DIP2.23@55.753,16.129 ; SW11.3@69.469,44.45 SW11.2@69.469,53.34 69.469,54.561 69.941,55.033 78.825,55.033 79.375,54.483 SW12.2@79.375,53.848 ; v1(80.518,23.495) 80.518,28.126 81.534,29.142 v1(81.534,33.909) 81.534,42.291 SW12.3@79.375,44.45 SW12.2@79.375,53.34 SW12.2@79.375,53.848 ; SW13.3@89.916,44.45 SW13.2@89.916,53.34 ; SW14.3@99.568,44.45 SW14.2@99.568,53.34 99.265,53.643 99.265,55.118 93.043,55.118 ; SW4.3@113.792,67.564 112.594,67.564 112.418,67.74 112.418,68.301 111.735,68.984 98.973,68.984 93.043,63.054 93.043,55.118 ; J13.24@164.592,34.29 166.224,34.29 169.018,37.084 v1(172.085,37.084) ; SW12.2@79.375,53.848 80.264,54.737 89.486,54.737 89.916,54.307 SW13.2@89.916,53.34 ; SW13.2@89.916,53.34 91.694,55.118 93.043,55.118
  Bottom Layer w0.3: J2.2@17.78,87.884 16.256,89.408 14.779,89.408 13.282,87.912 13.282,84.317 15.644,81.955 15.644,75.039 2.537,61.932 2.537,10.671 4.168,9.04 v1(34.821,9.04) ; DIP1.15@32.639,24.257 35.433,21.463 v1(37.338,21.463) ; DIP2.23@55.753,16.129 63.077,23.453 80.476,23.453 v1(80.518,23.495) ; v1@81.407,34.036 v1(81.534,33.909) 81.661,33.782 105.791,33.782 105.929,33.644 107.939,33.644 J11.24@109.093,34.798 110.247,35.952 129.275,35.952 J12.24@130.429,34.798 130.754,34.798 131.4,35.444 163.438,35.444 J13.24@164.592,34.29 J13.24@164.592,34.415 ; v1(172.085,37.084) 173.546,37.084 173.823,37.361 179.241,37.361 179.751,37.871 179.751,42.624 178.283,44.092 177.722,44.092 177.546,44.268 J6.6@177.546,45.466
RC5: DIP1.16 DIP2.24 J2.3 J6.5 J11.23 J12.23 J13.23 SW15.2 SW15.3 SW16.2 SW16.3 SW17.2 SW17.3 SW18.2 SW18.3 | length 338.8
  Top Layer w0.3: DIP1.16@32.639,26.797 35.98,23.456 35.98,15.582 36.195,15.367 v1(36.195,12.573) ; v1(42.926,20.066) 44.323,18.669 DIP2.24@55.753,18.669 ; v1(65.913,24.257) 65.936,24.28 65.936,28.979 SW15.3@69.469,32.512 ; SW15.2@69.469,41.402 SW15.3@69.469,32.512 ; v1(71.374,32.893) 70.993,32.512 SW15.3@69.469,32.512 ; SW16.2@79.248,41.402 SW16.3@79.248,32.512 v1(80.645,31.115) ; SW17.2@89.789,41.402 SW17.3@89.789,32.512 91.059,31.242 v1(91.313,31.242) ; v1(98.552,31.115) 98.552,31.242 SW18.3@99.822,32.512 ; SW18.2@99.822,41.402 SW18.3@99.822,32.512 ; J6.5@175.006,45.466 174.86,45.466 167.378,37.984 164.114,37.984 163.438,37.308 163.438,35.676 J13.23@162.052,34.29 146.162,34.29 145.516,33.644 129.043,33.644 J12.23@127.889,34.798 118.667,34.798 117.513,33.644 107.707,33.644 J11.23@106.553,34.798 104.267,32.512 SW18.3@99.822,32.512
  Bottom Layer w0.3: J2.3@15.24,87.884 13.836,86.48 13.836,84.547 16.198,82.185 16.198,74.809 3.091,61.702 3.091,12.53 5.969,9.652 30.859,9.652 32.281,11.074 32.281,12.34 33.172,13.231 35.537,13.231 v1(36.195,12.573) ; DIP1.16@32.639,26.797 32.639,26.672 36.49,22.821 39.809,22.821 40.035,22.595 40.759,22.595 41.795,21.559 41.795,21.197 v1(42.926,20.066) ; DIP2.24@55.753,18.669 57.51,18.669 63.098,24.257 v1(65.913,24.257) ; v1(71.374,32.893) 78.867,32.893 v1(80.645,31.115) 80.709,31.178 91.249,31.178 v1(91.313,31.242) 91.376,31.178 98.489,31.178 v1(98.552,31.115)